# Altium PCB Fastino-DIOT.PCBDOC (part 12 of 22) (continued)
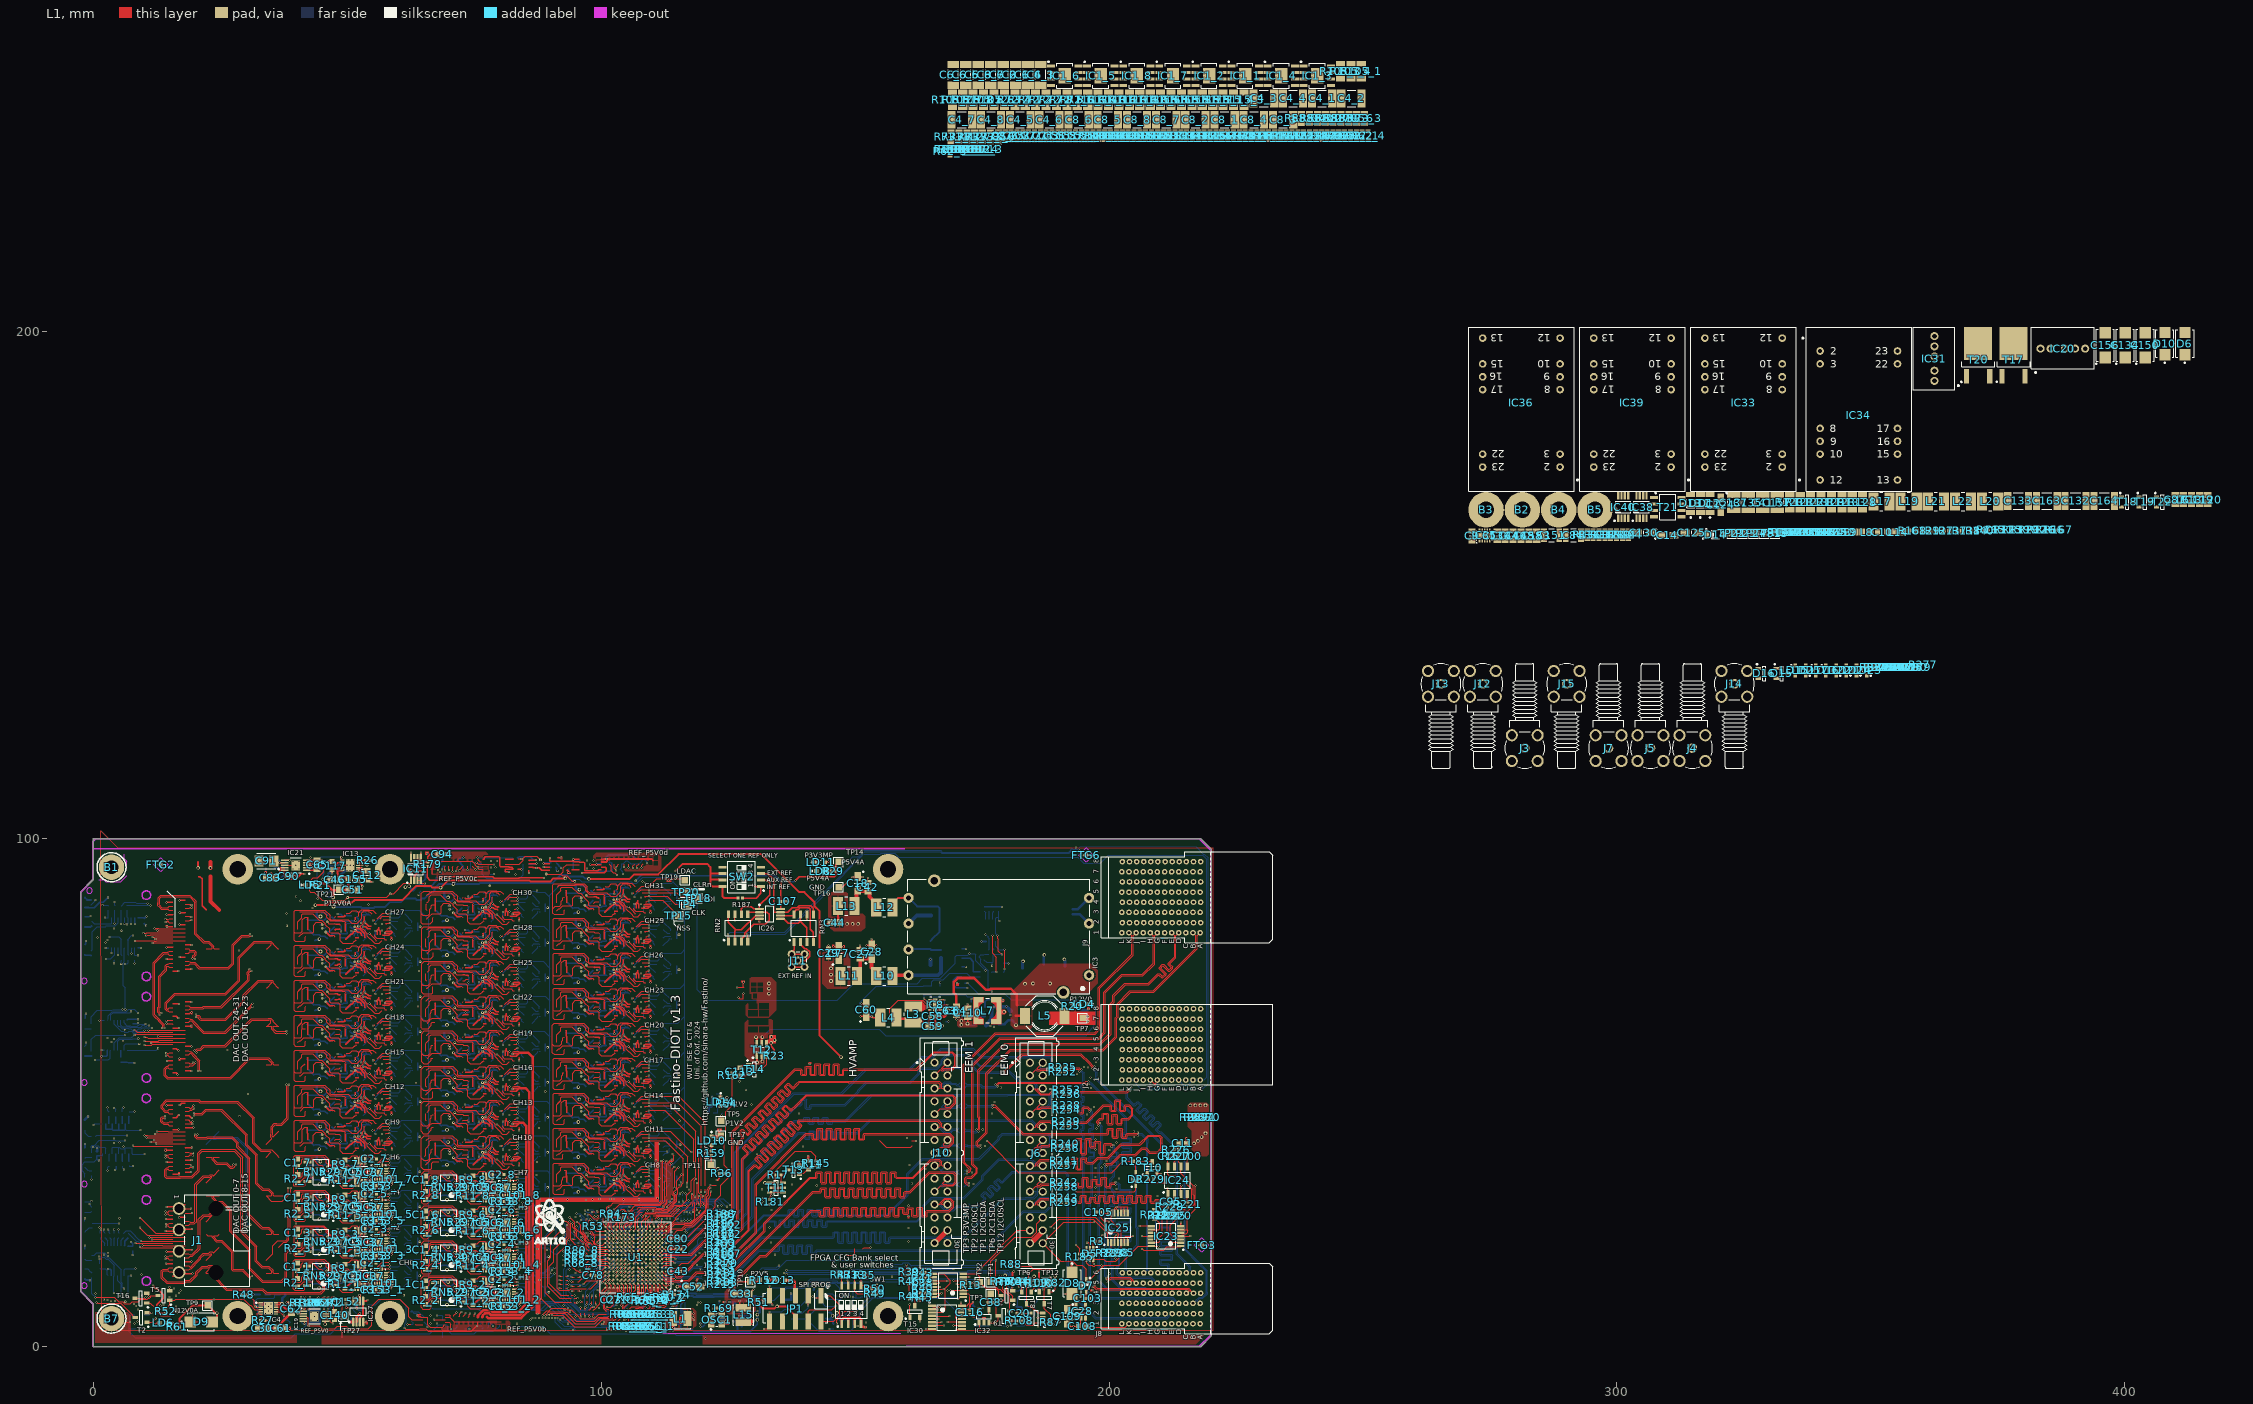
[diagram p0: L1 view]
## Nets (pads, with @x,y where several pads share a name; then routed paths per layer and width w, separated by ;. In a path a pad name is that pad's centre, name@x,y a point inside that pad or via, vN(x,y) a via of type N, cw(c..) or ccw(c..) an arc to the next point about the centre after c; other vN are vias at no path point) (continued)
  L1 w0.381: IC11.2@63.144,92.202 63.2,92.257 63.2,92.725 64.171,93.696 64.821,93.696 v1(64.825,93.7) ; v1@64.829,93.691 64.829,93.673 65.021,93.48 65.021,93.184 v1@65.025,93.18
  L3 w0.254: 40.615,87.975 40.615,92.14 v1(41.575,93.1) ; v2(52.15,20.79) v2(52.15,27.677) v2(52.15,34.563) ; v2@52.152,82.906 52.176,82.929 52.176,83.926 54.755,86.505 57.903,86.505 59.643,88.244 59.643,88.701 v4(61.417,90.475) ; v2@52.176,34.563 v2(52.176,48.383) v2(52.176,55.269) v2(52.176,62.156) v2(52.176,69.042) v2(52.176,75.929) v2(52.176,82.816) ; v2@77.301,10.778 v2(77.301,86.566) 77.301,89.442 78.08,90.221 v2(78.08,90.729) ; v2@103.176,33.019 v2(103.176,39.904) v2(103.176,46.79) v2(103.176,53.677) v2(103.176,60.563) v2(103.176,67.45) v2(103.176,74.337) v2(103.176,81.223) v2(103.176,88.11) 103.176,89.587 104.216,90.627 105.664,90.627 v2@106.807,91.77
  L2 w0.254: v4@40.337,6.449 42.243,4.543 43.92,4.543 44.069,4.394 v4(45.644,4.394) 46.854,5.604 48.918,5.604 50.247,6.933 50.247,7.661 50.623,8.037 ; v1(50.623,9.042) 50.623,8.037 ; v4(62.187,90.656) 62.259,90.656 62.283,90.633 62.302,90.653 66.154,90.653 67.5,91.999 75.667,91.999 76.962,90.703 v2@78.08,90.703 ; v1(63.754,6.121) 62.115,6.121 59.956,8.28 57.023,8.28 55.803,7.061 51.6,7.061 50.673,7.987 50.623,8.037 ; v1(81.847,93.506) 84.465,93.506 85.722,94.763 85.722,95.026 87.06,96.364 88.752,96.364 88.926,96.19 v1(89.891,96.19) 89.891,93.853 90.938,92.806 94.368,92.806 95.699,91.475 106.535,91.475 106.78,91.719 v2(106.807,91.719)
  L2 w0.381: v1(41.575,93.1) 43.751,93.1 44.163,92.687 46.743,92.687 46.771,92.659 55.519,92.659 55.7,92.478 56.662,91.516 60.452,91.516 61.697,92.761 62.739,92.761 62.821,92.679 64.309,92.679 64.825,93.195 v1(64.825,93.7) 66.725,93.7 67.864,94.839 77.052,94.839 78.307,93.583 79.081,93.583 79.158,93.506 v1(81.847,93.506)
  L6 w0.254: v4(40.259,6.706) 40.259,8.534 39.494,9.3 39.494,19.365 39.399,19.46 39.399,86.49 v1@40.64,87.732
  L8 w0.127: v1(63.754,6.121) 63.754,6.456 63.606,6.604 63.119,6.604 62.84,6.883 ; 64.999,5.835 63.95,6.883 62.84,6.883 ; 62.84,6.883 62.761,6.962 62.761,7.166 62.478,6.883 62.84,6.883
  L8 w0.254: v1(34.875,93.225) 34.903,93.197 35.003,93.197 35.725,92.475 C96.2@35.725,92.3 ; C96.2@35.95,92.4 37.1,92.4 37.945,93.245 R135.1@37.945,94.275 ; v4(40.259,6.706) 40.299,6.746 40.941,6.746 40.97,6.775 C122.2@40.97,6.807 ; C122.2@40.919,6.833 40.919,8.082 41.397,8.56 ; L16_1.1@51.283,12.065 51.308,12.09 51.308,12.433 51.604,12.729 51.669,12.729 51.964,13.025 51.964,13.874 52.095,14.005 v2(52.095,14.072) 52.095,15.501 R164_1.1@51.722,15.875 ; L16_3.1@51.337,18.784 51.363,18.809 51.363,19.152 51.659,19.448 51.724,19.448 52.019,19.743 v2@52.019,20.593 ; L16_5.1@51.337,25.67 51.363,25.696 51.363,26.038 51.659,26.335 51.724,26.335 52.019,26.63 v2@52.019,27.479 ; L16_7.1@51.337,32.557 51.363,32.582 51.363,32.925 51.659,33.221 51.724,33.221 52.019,33.516 v2@52.019,34.366 ; 51.337,39.443 51.363,39.469 51.363,39.811 51.659,40.108 51.724,40.108 52.019,40.403 v2@52.019,41.252 ; 51.363,46.376 51.389,46.401 51.389,46.744 51.685,47.04 51.75,47.04 52.045,47.336 v2@52.045,48.185 ; 51.363,53.263 51.389,53.288 51.389,53.631 51.685,53.927 51.75,53.927 52.045,54.222 v2@52.045,55.072 ; 51.363,60.149 51.389,60.175 51.389,60.517 51.685,60.814 51.75,60.814 52.045,61.109 v2@52.045,61.958 ; 51.363,67.036 51.389,67.061 51.389,67.404 51.685,67.7 51.75,67.7 52.045,67.995 v2@52.045,68.845 ; 51.363,73.922 51.389,73.948 51.389,74.29 51.685,74.587 51.75,74.587 52.045,74.882 v2@52.045,75.731 ; 51.363,80.809 51.389,80.834 51.389,81.177 51.685,81.473 51.75,81.473 52.045,81.769 v2@52.045,82.618 ; R164_3.1@51.776,22.594 52.15,22.22 v2(52.15,20.79) ; R164_5.1@51.776,29.48 52.15,29.106 v2(52.15,27.677) ; R164_7.1@51.776,36.367 52.15,35.993 v2(52.15,34.563) ; 51.776,43.253 52.15,42.88 v2(52.15,41.45) ; 51.802,50.186 52.176,49.812 v2(52.176,48.383) ; 51.802,57.073 52.176,56.699 v2(52.176,55.269) ; 51.802,63.959 52.176,63.585 v2(52.176,62.156) ; 51.802,70.846 52.176,70.472 v2(52.176,69.042) ; 51.802,77.732 52.176,77.359 v2(52.176,75.929) ; 51.802,84.619 52.176,84.245 v2(52.176,82.816) ; L16_2.1@76.488,8.824 76.514,8.85 76.514,9.192 76.81,9.489 76.875,9.489 77.17,9.784 v2@77.17,10.633 ; L16_4.1@76.488,15.711 76.514,15.736 76.514,16.079 76.81,16.375 76.875,16.375 77.17,16.671 v2@77.17,17.52 ; L16_6.1@76.488,22.597 76.514,22.623 76.514,22.965 76.81,23.262 76.875,23.262 77.17,23.557 v2@77.17,24.407 ; L16_8.1@76.488,29.484 76.514,29.509 76.514,29.852 76.81,30.148 76.875,30.148 77.17,30.444 v2@77.17,31.293 ; 76.488,36.371 76.514,36.396 76.514,36.739 76.81,37.035 76.875,37.035 77.17,37.33 v2@77.17,38.18 ; 76.488,43.257 76.514,43.283 76.514,43.625 76.81,43.922 76.875,43.922 77.17,44.217 v2@77.17,45.066 ; 76.488,50.144 76.514,50.169 76.514,50.512 76.81,50.808 76.875,50.808 77.17,51.103 v2@77.17,51.953 ; 76.488,57.03 76.514,57.056 76.514,57.398 76.81,57.695 76.875,57.695 77.17,57.99 v2@77.17,58.839 ; 76.488,63.917 76.514,63.942 76.514,64.285 76.81,64.581 76.875,64.581 77.17,64.877 v2@77.17,65.726 ; 76.488,70.786 76.513,70.812 76.513,71.154 76.81,71.451 76.875,71.451 77.17,71.746 v2@77.17,72.595 ; 76.488,77.673 76.513,77.698 76.513,78.041 76.81,78.337 76.875,78.337 77.17,78.632 v2@77.17,79.482 ; 76.488,84.559 76.513,84.585 76.513,84.927 76.81,85.224 76.875,85.224 77.17,85.519 v2@77.17,86.368 ; 76.927,74.596 77.301,74.222 v2(77.301,72.793) ; 76.927,81.483 77.301,81.109 v2(77.301,79.679) ; 76.927,88.369 77.301,87.996 v2(77.301,86.566) ; R164_2.1@76.927,12.634 77.301,12.26 v2(77.301,10.831) ; R164_4.1@76.927,19.521 77.301,19.147 v2(77.301,17.717) ; R164_6.1@76.927,26.407 77.301,26.034 v2(77.301,24.604) ; R164_8.1@76.927,33.294 77.301,32.92 v2(77.301,31.491) ; 76.927,40.181 77.301,39.807 v2(77.301,38.377) ; 76.927,47.067 77.301,46.693 v2(77.301,45.264) ; 76.927,53.954 77.301,53.58 v2(77.301,52.15) ; 76.927,60.84 77.301,60.467 v2(77.301,59.037) ; 76.927,67.727 77.301,67.353 v2(77.301,65.924) ; 80.975,93.56 81.038,93.497 v1@81.839,93.497 ; v1@94.513,95.885 95.695,95.885 95.885,95.695 ; 94.532,94.082 v1@94.532,95.824 ; 102.363,31.01 102.389,31.036 102.389,31.378 102.685,31.675 102.75,31.675 103.045,31.97 v2@103.045,32.819 ; 102.363,37.897 102.389,37.922 102.389,38.265 102.685,38.561 102.75,38.561 103.045,38.857 v2@103.045,39.706 ; 102.363,44.784 102.389,44.809 102.389,45.152 102.685,45.448 102.75,45.448 103.045,45.743 v2@103.045,46.593 ; 102.363,51.67 102.389,51.696 102.389,52.038 102.685,52.335 102.75,52.335 103.045,52.63 v2@103.045,53.479 ; 102.363,58.557 102.389,58.582 102.389,58.925 102.685,59.221 102.75,59.221 103.045,59.516 v2@103.045,60.366 ; 102.363,65.443 102.389,65.469 102.389,65.811 102.685,66.108 102.75,66.108 103.045,66.403 v2@103.045,67.252 ; 102.363,72.33 102.389,72.355 102.389,72.698 102.685,72.994 102.75,72.994 103.045,73.29 v2@103.045,74.139 ; 102.363,79.217 102.389,79.242 102.389,79.585 102.685,79.881 102.75,79.881 103.045,80.176 v2@103.045,81.026 ; 102.363,86.103 102.389,86.129 102.389,86.471 102.685,86.768 102.75,86.768 103.045,87.063 v2@103.045,87.912 ; 102.802,34.82 103.176,34.447 v2(103.176,33.017) ; 102.802,41.707 103.176,41.333 v2(103.176,39.904) ; 102.802,48.594 103.176,48.22 v2(103.176,46.79) ; 102.802,55.48 103.176,55.106 v2(103.176,53.677) ; 102.802,62.367 103.176,61.993 v2(103.176,60.563) ; 102.802,69.253 103.176,68.88 v2(103.176,67.45) ; 102.802,76.14 103.176,75.766 v2(103.176,74.337) ; 102.802,83.027 103.176,82.653 v2(103.176,81.223) ; 102.802,89.913 103.176,89.539 v2(103.176,88.11) ; v2(106.807,91.719) 108.088,93 114.5,93 114.75,92.75 134.25,92.75 v1(135.5,91.5) 137.96,91.5 138.21,91.75 v1(138.25,91.75)
  L8 w0.381: v4@62.119,90.638 62.49,90.266 ; C149.2@62.49,90.135 62.552,90.073 62.644,90.073 C149.2@62.929,89.789 ; v1@65.025,93.175 65.025,93.17 65.402,92.793 65.402,92.118 64.488,91.204 ; IC12.2@67.594,92.379 67.594,91.804 66.383,90.593 65.098,90.593 64.488,91.204 ; C149.2@62.929,89.789 63.696,90.556 63.696,90.771 64.055,90.771 64.488,91.204 ; C149.2@62.929,89.789 C149.2@62.929,89.764 C149.2@62.929,89.789
  other v1: 40.75,87.8 65.025,93.25
P6V0: C58.2 C59.2 IC8.8 IC8.10 L3.2 L4.1 R24.2 | length 25
  L1 w0.15: L4.1@158.14,64.795 156.915,64.795 156.827,64.883 156.827,66.576 158.46,68.209 163.317,68.209 164.163,67.363 164.707,67.363 IC8.8@164.738,67.332 ; IC8.10@164.463,66.257 164.538,66.332 IC8.10@164.738,66.332 164.738,65.08 C58.2@164.807,65.011
  L1 w0.508: L4.1@158.14,64.795 158.14,64.595 158.498,64.595 158.54,64.553 L3.2@160.717,64.553 ; C59.2@164.413,63.082 C59.2@164.413,63.257 ; C58.2@164.688,64.807 164.688,63.532 C59.2@164.413,63.257 ; L3.2@160.717,64.553 L3.2@161.463,63.807 ; L3.2@160.717,64.553 L3.2@161.463,63.807 ; L3.2@161.463,63.807 161.664,64.008 v1(163.678,64.008) 163.975,63.71 163.975,63.695 C59.2@164.413,63.257
  L8 w0.508: v1(163.678,64.008) 163.703,63.982 R24.2@164.938,63.982
P6V0_LX: IC8.9 L3.1 | length 3.3
  L1 w0.254: L3.1@161.463,67.007 161.638,66.832 IC8.9@164.738,66.832
P6V0A: C60.1 C65.2 D4.1 IC21.1 IC21.2 IC21.3 L4.2 R56.2 R68.2 | length 117.1
  L1 w0.254: IC21.1@42.04,93.785 43.783,93.785 C65.2@44.028,94.03 43.829,94.229 43.654,94.229 C65.2@43.597,94.285 ; IC21.2@42.04,94.285 C65.2@43.597,94.285 ; IC21.3@42.04,94.785 42.063,94.762 42.841,94.762 42.855,94.748 42.824,94.717 v1(43.18,94.717) 43.18,94.386 43.238,94.444 43.255,94.428 43.455,94.428 C65.2@43.597,94.285 ; v1(151.054,65.024) 152.167,65.024 C60.1@152.197,64.994 153.278,64.994 v1@153.284,65.001 ; v1(153.278,65.048) 153.306,65.048 153.559,64.795 L4.2@154.94,64.795
  L2 w0.254: v1(42.752,96.285) 42.754,96.284 43.078,96.284 ; v1(43.18,94.717) 43.18,94.667 43.078,94.565 43.078,96.284 ; 114.075,96.745 86.902,96.745 85.535,95.377 81.619,95.377 80.324,96.672 76.639,96.672 75.804,95.837 65.857,95.837 65.332,96.362 54.3,96.362 53.398,95.461 52.787,95.461 52.672,95.346 49.129,95.346 47.802,96.672 43.078,96.672 43.078,96.284
  L8 w0.127: v1(153.278,65.048) 153.226,65.048 150.887,67.386 150.887,67.71 154.115,70.938 R56.2@163.411,70.938 163.52,71.046 165.078,71.046 165.136,71.104 165.136,71.838 165.511,72.213 167.311,72.213 168.661,73.563 171.936,73.563 172.661,72.838 174.606,72.838 R68.2@174.611,72.843
P12V0: C48.2 C147.2 C148.2 C156.1 D12.1 IC35.2 IC35.3 J2.A3 J2.B3 J6.28 J6.29 J10.28 J10.29 L5.1 R20.2 R124.2 R201.1 R268.2 R269.2 R270.2 R271.2 R274.1 T21.1 T21.2 T21.3 TP7.1 | length 21
  L1 w0.127: 154.73,40.615 156.095,39.25 160.95,39.25 161.23,39.53 161.25,39.53 ; R20.2@192.761,66.51 193.261,66.51 193.335,66.435 193.335,65.9 193.611,65.9 TP7.1@194.793,64.719
  L1 w1: J10.29@165.647,20.366 J10.28@168.187,22.906 ; J6.29@184.417,20.341 184.579,20.341 185.184,20.946 185.219,20.946 186.842,22.57 186.842,22.766 J6.28@186.957,22.881 ; TP7.1@194.793,65 194.639,64.846 194.817,64.668 195.473,64.668 v4(195.778,64.973)
  L8 w1: C48.2@194.462,64.403 194.487,64.428 195.778,64.428 v4(195.778,64.973)
  other v4: 195.783,64.033
  other v5: 216,47.5 217,47.5 218,47.5 219,47.5
P12V0_CH_1: C98_1.1 C154_1.2 D21_1.2 IC5_1.8 L2_1.2 | length 11.7
  L1 w0.127: IC5_1.8@51.356,15.772 IC5_1.8@51.407,15.72
  L1 w0.254: IC5_1.8@51.46,15.773 51.52,15.714 51.52,15.13 v1(51.537,15.113)
  L8 w0.127: D21_1.2@41.862,15.418 41.869,15.411 D21_1.2@42.057,15.411 ; D21_1.2@41.977,15.331 D21_1.2@42.057,15.411 ; D21_1.2@42.095,15.448 D21_1.2@42.057,15.411
  L8 w0.254: D21_1.2@42.113,15.215 45.364,15.215 C98_1.1@45.745,15.596 ; L2_1.2@44.811,16.71 45.464,16.71 46.02,16.154 C98_1.1@46.152,16.154 ; C98_1.1@46.787,15.773 46.951,15.773 47.703,15.021 50.154,15.021 50.164,15.032 50.592,15.032 C154_1.2@50.775,15.215 ; C154_1.2@50.749,15.113 50.777,15.141 51.509,15.141 v1(51.537,15.113)
P12V0_CH_2: C98_2.1 C154_2.2 D21_2.2 IC5_2.8 L2_2.2 | length 11.7
  L1 w0.127: IC5_2.8@76.561,12.531 IC5_2.8@76.613,12.48
  L1 w0.254: IC5_2.8@76.666,12.533 76.726,12.473 76.726,11.889 v1(76.742,11.872)
  L8 w0.127: D21_2.2@67.067,12.177 67.074,12.17 D21_2.2@67.263,12.17 ; D21_2.2@67.183,12.09 D21_2.2@67.263,12.17 ; D21_2.2@67.3,12.208 D21_2.2@67.263,12.17
  L8 w0.254: D21_2.2@67.319,11.974 70.57,11.974 C98_2.1@70.951,12.355 ; L2_2.2@70.017,13.47 70.67,13.47 71.226,12.914 C98_2.1@71.357,12.914 ; C98_2.1@71.992,12.533 72.157,12.533 72.909,11.781 75.36,11.781 75.37,11.791 75.797,11.791 C154_2.2@75.98,11.974 ; C154_2.2@75.955,11.872 75.983,11.9 76.714,11.9 v1(76.742,11.872)
P12V0_CH_3: C98_3.1 C154_3.2 D21_3.2 IC5_3.8 L2_3.2 | length 11.7
  L1 w0.127: IC5_3.8@51.41,22.49 IC5_3.8@51.462,22.439
  L1 w0.254: IC5_3.8@51.515,22.492 51.575,22.432 51.575,21.848 v1(51.591,21.832)
  L8 w0.127: D21_3.2@41.916,22.136 41.923,22.129 D21_3.2@42.111,22.129 ; D21_3.2@42.032,22.05 D21_3.2@42.111,22.129 ; D21_3.2@42.149,22.167 D21_3.2@42.111,22.129
  L8 w0.254: D21_3.2@42.168,21.933 45.419,21.933 C98_3.1@45.8,22.314 ; L2_3.2@44.866,23.429 45.519,23.429 46.075,22.873 C98_3.1@46.206,22.873 ; C98_3.1@46.841,22.492 47.006,22.492 47.758,21.74 50.209,21.74 50.219,21.75 50.646,21.75 C154_3.2@50.829,21.933 ; C154_3.2@50.804,21.832 50.832,21.86 51.563,21.86 v1(51.591,21.832)
P12V0_CH_4: C98_4.1 C154_4.2 D21_4.2 IC5_4.8 L2_4.2 | length 11.7
  L1 w0.127: IC5_4.8@76.561,19.418 IC5_4.8@76.613,19.366
  L1 w0.254: IC5_4.8@76.666,19.419 76.726,19.36 76.726,18.775 v1(76.742,18.759)
  L8 w0.127: D21_4.2@67.067,19.063 67.074,19.057 D21_4.2@67.263,19.057 ; D21_4.2@67.183,18.977 D21_4.2@67.263,19.057 ; D21_4.2@67.3,19.094 D21_4.2@67.263,19.057
  L8 w0.254: D21_4.2@67.319,18.86 70.57,18.86 C98_4.1@70.951,19.241 ; L2_4.2@70.017,20.356 70.67,20.356 71.226,19.8 C98_4.1@71.357,19.8 ; C98_4.1@71.992,19.419 72.157,19.419 72.909,18.667 75.36,18.667 75.37,18.677 75.797,18.677 C154_4.2@75.98,18.86 ; C154_4.2@75.955,18.759 75.983,18.787 76.714,18.787 v1(76.742,18.759)
P12V0_CH_5: C98_5.1 C154_5.2 D21_5.2 IC5_5.8 L2_5.2 | length 11.7
  L1 w0.127: IC5_5.8@51.41,29.377 IC5_5.8@51.462,29.325
  L1 w0.254: IC5_5.8@51.515,29.379 51.575,29.319 51.575,28.735 v1(51.591,28.718)
  L8 w0.127: D21_5.2@41.916,29.023 41.923,29.016 D21_5.2@42.111,29.016 ; D21_5.2@42.032,28.936 D21_5.2@42.111,29.016 ; D21_5.2@42.149,29.054 D21_5.2@42.111,29.016
  L8 w0.254: D21_5.2@42.168,28.82 45.419,28.82 C98_5.1@45.8,29.201 ; L2_5.2@44.866,30.316 45.519,30.316 46.075,29.76 C98_5.1@46.206,29.76 ; C98_5.1@46.841,29.379 47.006,29.379 47.758,28.627 50.209,28.627 50.219,28.637 50.646,28.637 C154_5.2@50.829,28.82 ; C154_5.2@50.804,28.718 50.832,28.746 51.563,28.746 v1(51.591,28.718)
P12V0_CH_6: C98_6.1 C154_6.2 D21_6.2 IC5_6.8 L2_6.2 | length 11.7
  L1 w0.127: IC5_6.8@76.561,26.304 IC5_6.8@76.613,26.253
  L1 w0.254: IC5_6.8@76.666,26.306 76.726,26.246 76.726,25.662 v1(76.742,25.645)
  L8 w0.127: D21_6.2@67.067,25.95 67.074,25.943 D21_6.2@67.263,25.943 ; D21_6.2@67.183,25.864 D21_6.2@67.263,25.943 ; D21_6.2@67.3,25.981 D21_6.2@67.263,25.943
  L8 w0.254: D21_6.2@67.319,25.747 70.57,25.747 C98_6.1@70.951,26.128 ; L2_6.2@70.017,27.243 70.67,27.243 71.226,26.687 C98_6.1@71.357,26.687 ; C98_6.1@71.992,26.306 72.157,26.306 72.909,25.554 75.36,25.554 75.37,25.564 75.797,25.564 C154_6.2@75.98,25.747 ; C154_6.2@75.955,25.645 75.983,25.673 76.714,25.673 v1(76.742,25.645)
P12V0_CH_7: C98_7.1 C154_7.2 D21_7.2 IC5_7.8 L2_7.2 | length 11.7
  L1 w0.127: IC5_7.8@51.41,36.264 IC5_7.8@51.462,36.212
  L1 w0.254: IC5_7.8@51.515,36.265 51.575,36.206 51.575,35.621 v1(51.591,35.605)
  L8 w0.127: D21_7.2@41.916,35.909 41.923,35.902 D21_7.2@42.111,35.902 ; D21_7.2@42.032,35.823 D21_7.2@42.111,35.902 ; D21_7.2@42.149,35.94 D21_7.2@42.111,35.902
  L8 w0.254: D21_7.2@42.168,35.706 45.419,35.706 C98_7.1@45.8,36.087 ; L2_7.2@44.866,37.202 45.519,37.202 46.075,36.646 C98_7.1@46.206,36.646 ; C98_7.1@46.841,36.265 47.006,36.265 47.758,35.513 50.209,35.513 50.219,35.523 50.646,35.523 C154_7.2@50.829,35.706 ; C154_7.2@50.804,35.605 50.832,35.633 51.563,35.633 v1(51.591,35.605)
P12V0_CH_8: C98_8.1 C154_8.2 D21_8.2 IC5_8.8 L2_8.2 | length 11.7
  L1 w0.127: IC5_8.8@76.561,33.191 IC5_8.8@76.613,33.139
  L1 w0.254: IC5_8.8@76.666,33.192 76.726,33.133 76.726,32.549 v1(76.742,32.532)
  L8 w0.127: D21_8.2@67.067,32.837 67.074,32.83 D21_8.2@67.263,32.83 ; D21_8.2@67.183,32.75 D21_8.2@67.263,32.83 ; D21_8.2@67.3,32.867 D21_8.2@67.263,32.83
  L8 w0.254: D21_8.2@67.319,32.634 70.57,32.634 C98_8.1@70.951,33.015 ; L2_8.2@70.017,34.129 70.67,34.129 71.226,33.573 C98_8.1@71.357,33.573 ; C98_8.1@71.992,33.192 72.157,33.192 72.909,32.44 75.36,32.44 75.37,32.451 75.797,32.451 C154_8.2@75.98,32.634 ; C154_8.2@75.955,32.532 75.983,32.56 76.714,32.56 v1(76.742,32.532)
P12V0_CPCIS: C108.2 IC28.1 IC28.3 J8.A1 J8.D1 J8.E1 J8.G1 J8.H1 J8.J1 J8.K1 R268.1 R269.1 R270.1 R271.1 | length 14.3
  L1 w0.127: IC28.1@193.5,5.65 193.496,5.654 193.496,6.496 193.75,6.75 195.176,6.75 195.25,6.676 195.25,5.8 IC28.3@195.4,5.65 195.396,5.646 195.396,4.154 C108.2@195.55,4 196.658,4 196.899,3.759 203.198,3.759 J8.K1@203.939,4.5
  other v5: 216.75,40 217.5,40.5 218.25,41.25 219,42
P12V0_SW: C41.2 C84.2 C134.1 C135.2 C137.2 C150.1 C151.2 C157.2 IC20.2 IC31.2 IC33.22 IC33.23 IC34.22 IC34.23 IC36.22 IC36.23 IC39.22 IC39.23 T21.5 T21.6 T21.7 T21.8 TP22.1
P12V0A: C46.2 C51.2 C155.2 D8.1 IC13.9 IC13.10 L2_1.1 L2_2.1 L2_3.1 L2_4.1 L2_5.1 L2_6.1 L2_7.1 L2_8.1 R21.2 R64.1 R70.2 R82.2 R108.2 R109.2 TP21.1 | length 596.3
  L1 w0.381: C46.2@48.133,92.507 48.133,93.077 48.065,93.145 48.065,93.785 ; IC13.10@49.066,93.785 48.065,93.785 ; IC13.9@49.066,94.285 48.065,94.285 48.065,93.889 ; v4(97.575,92.1) 105.6,92.1 106.5,93 111.25,93 115.25,97 131.5,97 139,89.5 140,89.5 142,87.5 142,86.75 143,85.75 143,61.25 v5(147.25,57) ; v5@179.588,13.934 v5(179.527,13.995) 179.527,13.909 179.763,13.673 179.763,13.269 179.863,13.17 R70.2@179.883,13.17 ; R108.2@182.817,5.068 182.817,5.088 183.345,5.617 183.526,5.617 v5(183.587,5.678) ; v5(185.242,13.818) 185.261,13.798 185.261,13.025 R109.2@185.281,13.006 ; v5(189.382,13.894) 189.389,13.887 189.389,13.012 R82.2@189.396,13.006 ; v4(192.625,16.289) 192.625,14.775 D8.1@192.75,14.65 ; 48.065,93.785 47.962,93.785 48.065,93.889 ; 48.065,93.785 48.065,93.889
  L1 w0.508: R21.2@44.703,91.288 44.739,91.252 45.62,91.252 46.969,89.903 ; v4(47.193,88.443) 47.193,89.68 46.969,89.903 ; C46.2@48.463,91.973 48.463,92.148 48.734,92.419 49.747,92.419 C155.2@49.784,92.456 ; C51.2@49.936,90.322 50.075,90.322 50.14,90.387 C155.2@50.14,91.999 ; C51.2@50.14,89.941 50.102,89.903 46.969,89.903
  L3 w0.381: v4(47.278,86.627) v4@47.278,88.133 ; v4(69.833,88.446) 70.891,89.504 v4(70.891,91.084) 72.212,89.764 72.212,83.769 72.212,76.86 72.212,62.763 72.212,56.058 72.212,49.352 72.212,42.52 72.212,35.23 72.212,29.312 ; v4@69.901,12.725 69.901,12.778 72.212,15.089 72.212,21.336 ; v4@69.901,19.66 69.901,19.664 71.572,21.336 72.212,21.336 ; 72.212,28.862 72.212,21.336 ; v4@95.762,34.95 98.222,37.41 98.222,57.023 98.222,64.491 98.222,71.73 98.222,78.73 ; v4(97.575,92.1) 97.587,92.1 98.222,91.465 98.222,90.881 98.222,86.258 ; 98.222,79.121 98.222,85.616 ; v5(179.527,13.995) 180.632,13.995 180.734,13.894 v5@185.242,13.894 ; v5@185.318,13.818 186.823,13.818 187.213,13.427 188.829,13.427 189.296,13.894 v5(189.382,13.894)
  L3 w0.508: v4(44.628,15.951) 44.665,15.988 v4@44.69,15.988 ; v4(44.682,22.67) 47.295,25.282 47.295,32.169 ; v4(44.682,29.556) 47.295,32.169 ; v4(44.682,36.443) 47.295,39.055 ; v4(44.682,43.33) 47.276,45.923 47.295,45.923 ; v4(44.708,50.262) 46.846,52.4 46.965,52.4 47.295,52.73 ; v4(44.708,57.149) 47.295,59.735 ; v4(44.708,64.035) 47.295,66.622 ; v4(44.708,70.922) 47.295,73.508 ; v4(44.708,77.809) 47.295,80.395 ; v4@44.785,84.771 46.603,86.59 v4@47.256,86.59 ; v4@47.295,86.614 47.295,80.395 ; v4(69.833,26.484) 72.212,28.862 72.238,28.888 72.238,29.312 ; v4(69.833,33.37) 71.693,35.23 72.212,35.23 ; v4(69.833,40.257) 72.096,42.52 72.212,42.52 ; v4(69.833,47.143) 72.042,49.352 72.212,49.352 ; v4(69.833,54.03) 71.861,56.058 72.212,56.058 ; v4(69.833,60.917) 71.68,62.763 72.212,62.763 ; v4(69.833,67.803) 72.161,70.131 ; v4(69.833,74.672) 72.021,76.86 72.212,76.86 ; v4(69.833,81.559) 72.043,83.769 72.212,83.769 ; v4(95.708,41.783) 97.359,43.434 98.171,43.434 ; v4(95.708,48.67) 96.594,49.555 98.095,49.555 ; v4(95.708,55.556) 97.175,57.023 98.222,57.023 ; v4(95.708,62.443) 97.756,64.491 98.222,64.491 ; v4(95.708,69.33) 98.108,71.73 98.222,71.73 ; v4(95.708,76.216) 98.222,78.73 98.247,78.755 98.247,79.121 ; v4(95.708,83.103) 98.222,85.616 98.247,85.642 98.247,86.258 ; v4(95.708,89.989) 96.6,90.881 98.222,90.881 ; 47.295,32.169 47.295,39.055 ; 47.295,39.055 47.295,45.923 ; 47.295,45.923 47.295,52.73 ; 47.295,52.73 47.295,59.735 ; 47.295,59.735 47.295,66.622 ; 47.295,66.622 47.295,73.508 ; 47.295,73.508 47.295,80.395
  L5 w0.381: v4@44.542,16.011 v4@44.653,15.9 ; v5(147.25,57) 147.25,21 155.25,13 157.75,13 158.25,13.5 159.25,13.5 159.5,13.25 160.5,13.25 161.25,14 161.25,14.027 161.861,14.638 163.138,14.638 163.25,14.75 178.956,14.75 179.408,14.298 179.408,14.208 v5(179.527,13.995) ; v5(183.587,5.678) 183.587,8.337 185.242,9.992 v5(185.242,13.818) ; v5(189.382,13.894) 189.443,13.955 190.291,13.955 v4(192.625,16.289)
  L8 w0.381: R64.1@46.228,88.544 46.232,88.54 v4@47.009,88.54 ; v4(47.278,86.627) 47.325,86.579 52.621,86.579 52.8,86.4 55.225,86.4 55.404,86.579 57.427,86.579 58.348,87.5 60.525,87.5 61.275,88.25 63.33,88.25 63.632,87.948 64.481,87.948 64.783,88.25 65.2,88.25 66.425,89.475 66.851,89.475 67.158,89.782 67.158,90.208 68.034,91.084 v4(70.891,91.084) 75.926,91.084 76.166,91.325 90.487,91.325 92.031,92.87 93.227,92.87 93.556,92.54 96.463,92.54 96.842,92.161 97.514,92.161 v4(97.575,92.1)
  L8 w0.508: L2_1.1@43.917,16.739 43.917,16.205 44.134,15.988 44.591,15.988 v4(44.628,15.951) ; L2_3.1@43.918,23.457 43.942,23.433 43.942,23.423 44.157,23.208 44.157,22.989 v4@44.438,22.708 ; 43.942,85.42 43.942,84.963 44.221,84.684 44.697,84.684 v4(44.708,84.695) ; L2_5.1@43.971,30.344 43.971,29.81 44.188,29.593 44.646,29.593 v4(44.682,29.556) ; L2_7.1@43.971,37.23 43.971,36.697 44.188,36.48 44.646,36.48 v4(44.682,36.443) ; 43.971,44.117 43.971,43.584 44.188,43.366 44.646,43.366 v4(44.682,43.33) ; 43.997,51.05 43.997,50.516 44.214,50.299 44.672,50.299 v4(44.708,50.262) ; 43.997,57.936 43.997,57.403 44.214,57.185 44.672,57.185 v4(44.708,57.149) ; 43.997,64.823 43.997,64.289 44.214,64.072 44.672,64.072 v4(44.708,64.035) ; 43.997,71.709 43.997,71.176 44.214,70.959 44.672,70.959 v4(44.708,70.922) ; 43.997,78.596 43.997,78.063 44.214,77.845 44.672,77.845 v4(44.708,77.809) ; L2_2.1@69.122,13.498 69.122,12.964 69.339,12.747 69.797,12.747 v4(69.833,12.71) ; L2_4.1@69.122,20.384 69.122,19.851 69.339,19.634 69.797,19.634 v4(69.833,19.597) ; L2_6.1@69.122,27.271 69.122,26.738 69.339,26.52 69.797,26.52 v4(69.833,26.484) ; L2_8.1@69.122,34.158 69.122,33.624 69.339,33.407 69.797,33.407 v4(69.833,33.37) ; 69.122,41.044 69.122,40.511 69.339,40.294 69.797,40.294 v4(69.833,40.257) ; 69.122,47.931 69.122,47.397 69.339,47.18 69.797,47.18 v4(69.833,47.143) ; 69.122,54.817 69.122,54.284 69.339,54.067 69.797,54.067 v4(69.833,54.03) ; 69.122,61.704 69.122,61.171 69.339,60.953 69.797,60.953 v4(69.833,60.917) ; 69.122,68.591 69.122,68.057 69.339,67.84 69.797,67.84 v4(69.833,67.803) ; 69.122,75.46 69.122,74.926 69.339,74.709 69.797,74.709 v4(69.833,74.672) ; 69.122,82.346 69.122,81.813 69.339,81.596 69.797,81.596 v4(69.833,81.559) ; 69.122,89.233 69.122,88.7 69.339,88.482 69.797,88.482 v4(69.833,88.446) ; 94.997,35.684 94.997,35.151 95.214,34.933 95.672,34.933 v4(95.708,34.897) ; 94.997,42.571 94.997,42.037 95.214,41.82 95.672,41.82 v4(95.708,41.783) ; 94.997,49.457 94.997,48.924 95.214,48.707 95.672,48.707 v4(95.708,48.67) ; 94.997,56.344 94.997,55.81 95.214,55.593 95.672,55.593 v4(95.708,55.556) ; 94.997,63.23 94.997,62.697 95.214,62.48 95.672,62.48 v4(95.708,62.443) ; 94.997,70.117 94.997,69.584 95.214,69.366 95.672,69.366 v4(95.708,69.33) ; 94.997,77.004 94.997,76.47 95.214,76.253 95.672,76.253 v4(95.708,76.216) ; 94.997,83.89 94.997,83.357 95.214,83.139 95.672,83.139 v4(95.708,83.103) ; 94.997,90.777 94.997,90.243 95.214,90.026 95.672,90.026 v4(95.708,89.989)
P12V0F: C32.2 C34.2 C36.2 C39.2 C49.1 C63.2 C64.2 C93.2 C123.2 IC3.1 IC8.2 IC22.3 L5.2 | length 33.3
  L1 w0.3: IC8.2@166.838,66.832 167.501,66.832 167.591,66.742 167.778,66.742 C63.2@167.938,66.582
  L1 w0.5: C63.2@167.938,66.582 v5(168.69,66.582) 169.273,66.582 169.765,67.074 C64.2@169.94,67.074 169.94,69.11 169.459,69.59 169.459,71.802 170.245,72.588 173.412,72.588 175.75,70.25 176.464,70.25 176.682,70.468 180.662,70.468 181.864,69.266 181.864,67.513 181.864,67.31 181.96,67.214 ; 181.61,65.128 181.796,65.128 183.423,65.128 L5.2@183.425,65.126 L5.2@182.675,65.876
  L8 w0.5: IC22.3@178.256,65.016 178.256,63.509 179.439,63.509 180.221,64.291 180.249,64.263 180.277,64.291 C123.2@180.696,64.291 180.718,64.313 C123.2@180.696,64.313 ; C123.2@180.871,64.291 181.591,63.571 181.591,63.392 v4(181.686,63.297)
  other v4: 183.456,71.414 184.993,71.507 188.418,71.507
P13V0: C29.2 C77.1 C112.2 C117.2 IC13.1 IC13.2 L11.2 | length 28.6
  L1 w0.381: v1(46.279,95.555) 46.358,95.634 C117.2@47.092,95.634 ; C117.2@46.985,95.527 C117.2@47.092,95.634 ; C117.2@47.244,95.785 C117.2@47.092,95.634 ; IC13.1@52.066,93.785 IC13.1@52.074,93.777 ; IC13.2@52.066,94.285 52.628,94.285 52.756,94.285 v1@52.832,94.209 ; IC13.1@52.074,93.722 52.379,93.722 52.705,93.396 53.238,93.396 C112.2@53.289,93.447 ; v1(52.908,94.158) 52.908,94.005 52.988,93.926 53.61,93.926 C112.2@53.75,93.785 ; C29.2@144.532,76.482 C29.2@144.75,76.7 ; L11.2@146.34,73.832 146.452,73.721 147.03,73.142 147.114,73.059 147.114,71.869 L11.2@147.114,72.964 ; C77.1@147.244,76.91 147.185,76.91 C77.1@146.75,76.475 ; L11.2@146.456,73.725 L11.2@147.034,73.146 ; L11.2@146.456,73.725 L11.2@147.034,73.146 ; L11.2@146.456,73.725 L11.2@147.15,73.031 ; C77.1@146.75,76.475 C77.1@146.75,76.2 C77.1@146.75,76.475 ; L11.2@147.034,73.146 L11.2@147.15,73.031 ; L11.2@147.034,73.146 L11.2@147.15,73.031 ; L11.2@147.034,73.146 L11.2@147.15,73.031 ; L11.2@147.034,73.146 L11.2@147.15,73.031 ; L11.2@147.034,73.146 146.34,73.84 146.572,73.84 147.15,73.262 L11.2@147.15,73 L11.2@147.15,73.031
  L2 w0.381: v1(46.279,95.555) 47.141,94.692 47.141,94.549 48.458,93.233 52.14,93.233 52.905,93.997 52.905,94.154 v1(52.908,94.158)
  L5 w1.27: v4(145.25,72) v4(145.25,73.25)
  L8 w0.381: v4@45.307,92.063 45.331,92.087 45.331,95.218 45.667,95.555 v1(46.279,95.555)
  other v4: 145.25,74.5 45.246,92.02
P13V0_FLT: C27.2 C28.1 L10.2 L11.1 | length 9.7
  L1 w0.762: L11.1@150.35,73 150.35,73.75 151,74.4 C27.2@151,76.35 151.05,76.4 153.2,76.4 C28.1@153.25,76.45 153.25,74.65 154.15,73.75 L10.2@154.15,73
P13V0S: C26.2 IC3.7 L10.1 R7.2 | length 12.7
  L1 w0.762: L10.1@157.35,73 157.482,73.132 IC3.7@160.528,73.132
  L8 w0.762: IC3.7@160.528,73.132 166.359,73.132 166.93,73.703 R7.2@166.93,76.493
P24VA: C5_1.1 C5_2.1 C5_3.1 C5_4.1 C5_5.1 C5_6.1 C5_7.1 C5_8.1 C13.2 C14.1 D6.1 IC1_1.7 IC1_2.7 IC1_3.7 IC1_4.7 IC1_5.7 IC1_6.7 IC1_7.7 IC1_8.7 L8.2 R119.2 TP8.1